# Altium PCB BananaBoard_PCB_4_LAYERS.PcbDoc (part 1 of 3) (continued)
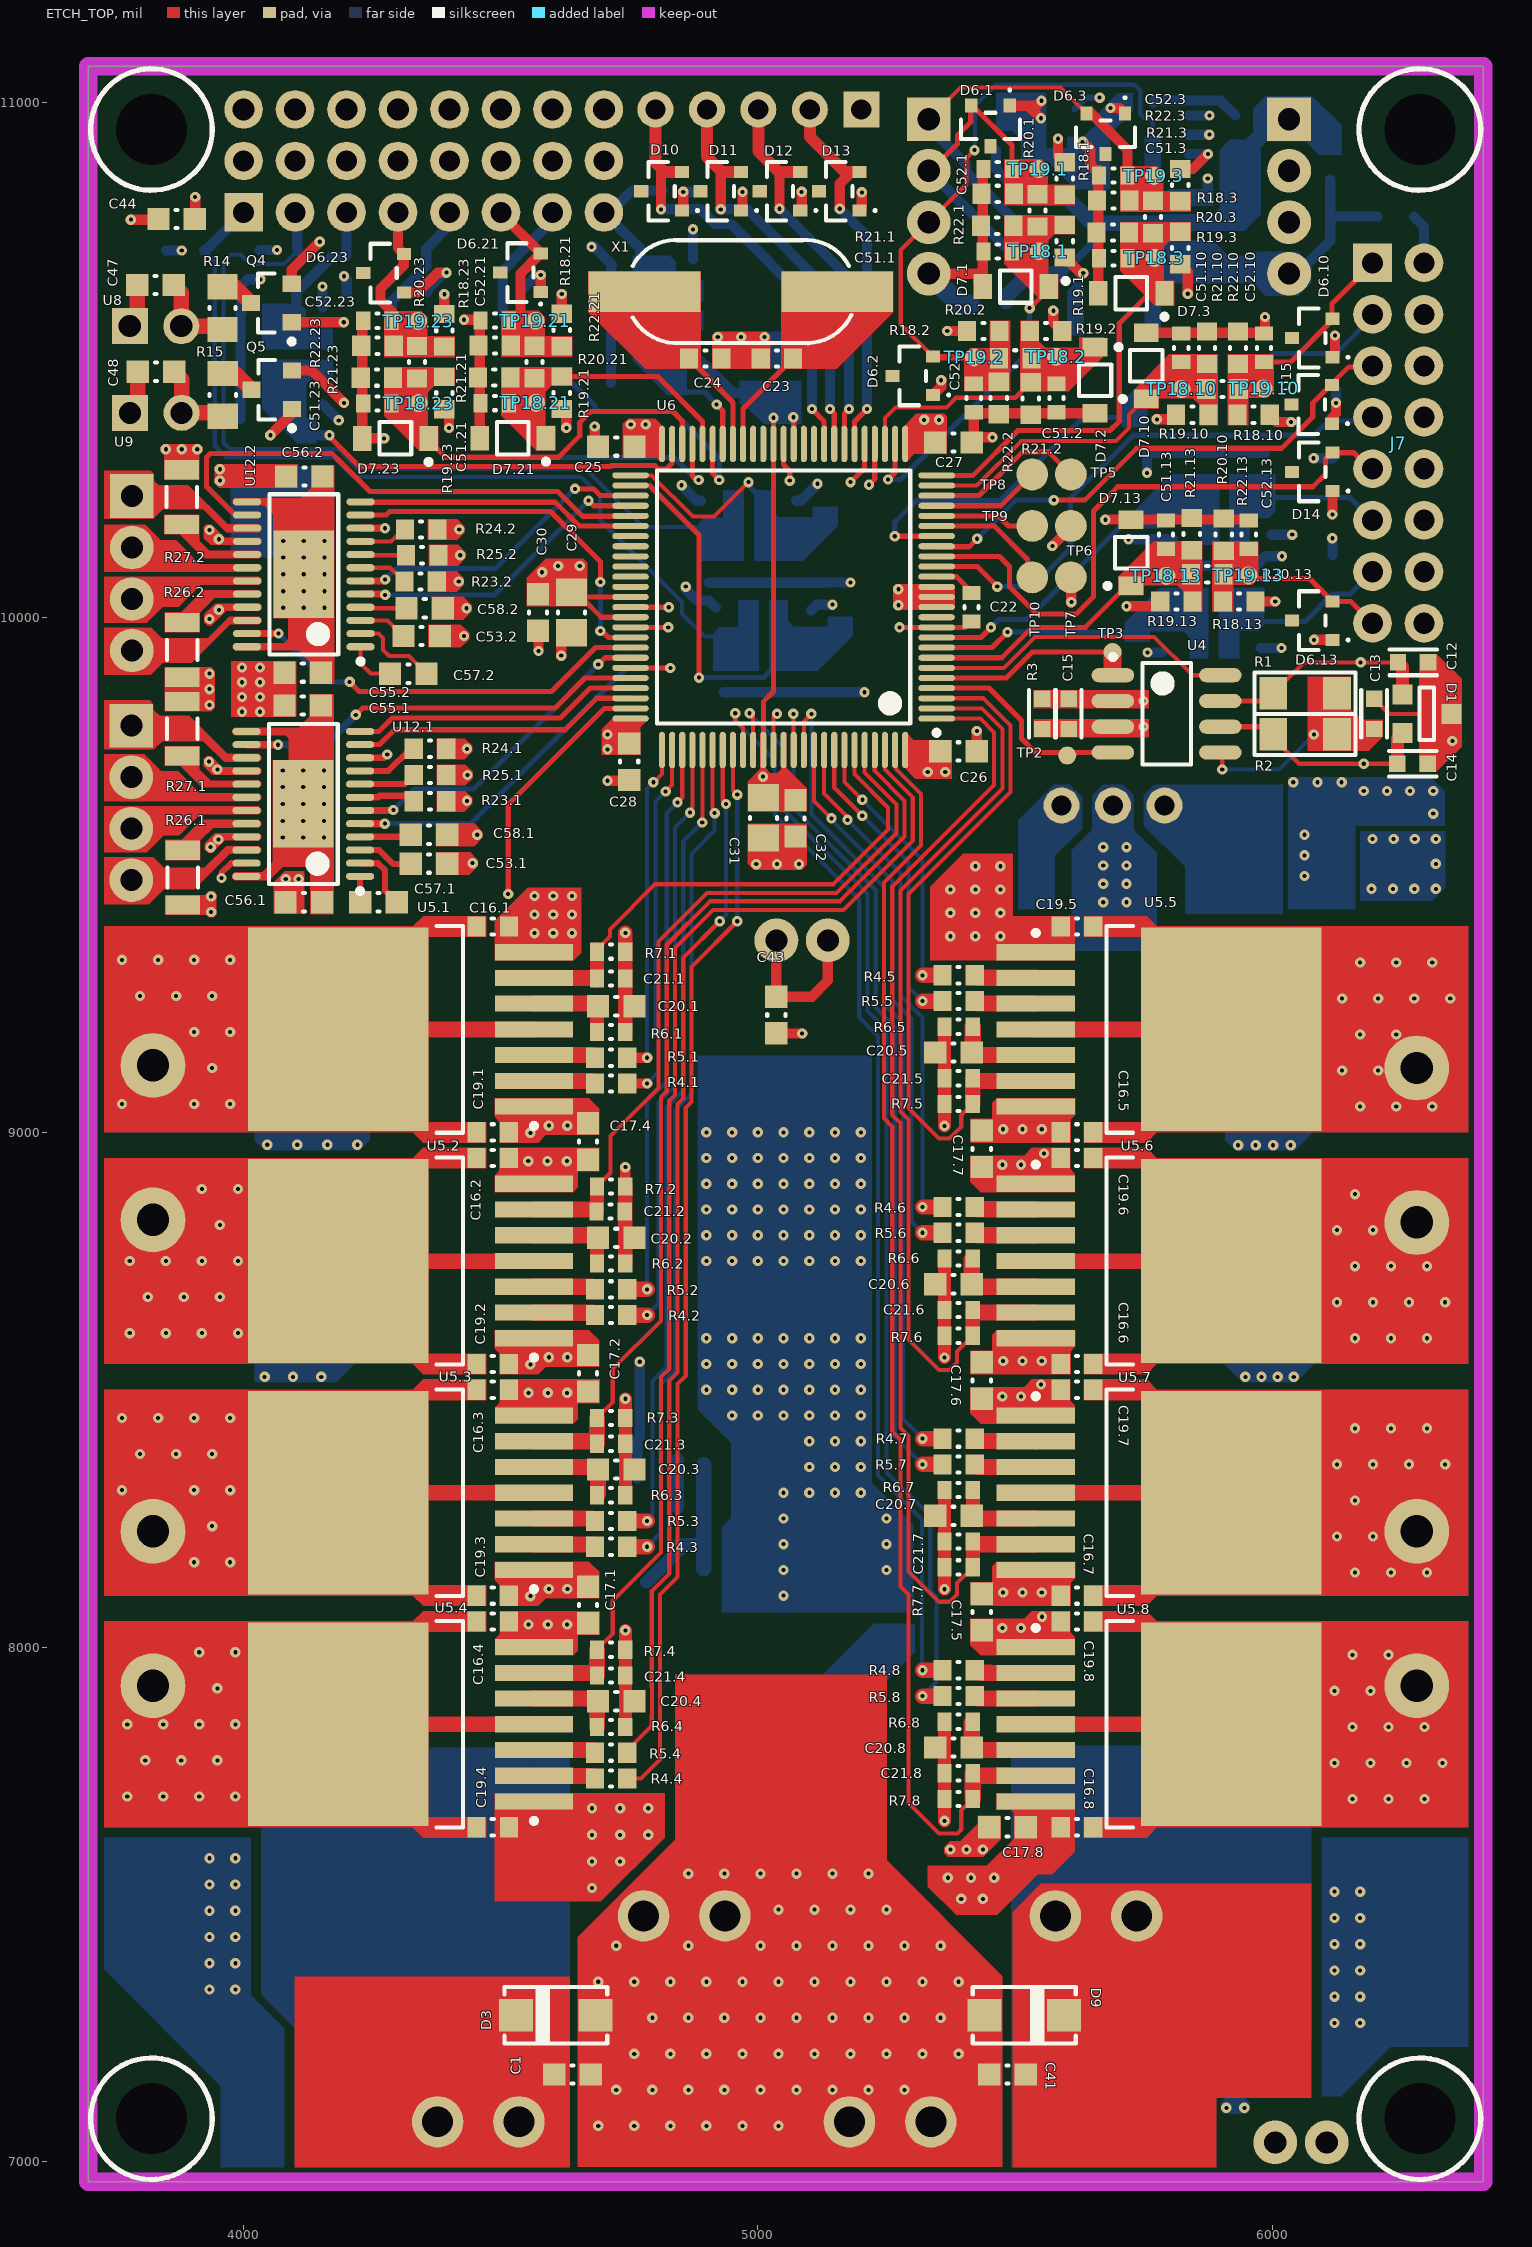
[diagram p0: ETCH_TOP view]
## Classes and differential pairs
channel class MultiPurposeIOProtection: U_MultiPurposeIOProtection1 U_MultiPurposeIOProtection2 U_MultiPurposeIOProtection3 U_MultiPurposeIOProtection4 U_MultiPurposeIOProtection5 U_MultiPurposeIOProtection6 U_MultiPurposeIOProtection7 U_MultiPurposeIOProtection8 U_MultiPurposeIOProtection9 U_MultiPurposeIOProtection10 U_MultiPurposeIOProtection11 U_MultiPurposeIOProtection12 U_MultiPurposeIOProtection13 U_MultiPurposeIOProtection14 U_MultiPurposeIOProtection15 U_MultiPurposeIOProtection16 U_MultiPurposeIOProtection17 U_MultiPurposeIOProtection18 U_MultiPurposeIOProtection19 U_MultiPurposeIOProtection20 U_MultiPurposeIOProtection21 U_MultiPurposeIOProtection22 U_MultiPurposeIOProtection23 U_MultiPurposeIOProtection24 U_MultiPurposeIOProtection25 U_MultiPurposeIOProtection26
component class U_MultiPurposeIOProtection16: C51.26 C52.26 D6.26 D7.26 R18.26 R19.26 R20.26 R21.26 R22.26 TP18.26 TP19.26
component class U_MultiPurposeIOProtection15: C51.25 C52.25 D6.25 D7.25 R18.25 R19.25 R20.25 R21.25 R22.25 TP18.25 TP19.25
component class U_MultiPurposeIOProtection14: C51.24 C52.24 D6.24 D7.24 R18.24 R19.24 R20.24 R21.24 R22.24 TP18.24 TP19.24
component class U_MultiPurposeIOProtection13: C51.23 C52.23 D6.23 D7.23 R18.23 R19.23 R20.23 R21.23 R22.23 TP18.23 TP19.23
component class U_MultiPurposeIOProtection12: C51.22 C52.22 D6.22 D7.22 R18.22 R19.22 R20.22 R21.22 R22.22 TP18.22 TP19.22
component class U_MultiPurposeIOProtection11: C51.21 C52.21 D6.21 D7.21 R18.21 R19.21 R20.21 R21.21 R22.21 TP18.21 TP19.21
component class U_MultiPurposeIOProtection10: C51.20 C52.20 D6.20 D7.20 R18.20 R19.20 R20.20 R21.20 R22.20 TP18.20 TP19.20
component class U_MultiPurposeIOProtection9: C51.19 C52.19 D6.19 D7.19 R18.19 R19.19 R20.19 R21.19 R22.19 TP18.19 TP19.19
component class U_MultiPurposeIOProtection8: C51.13 C52.13 D6.13 D7.13 R18.13 R19.13 R20.13 R21.13 R22.13 TP18.13 TP19.13
component class U_MultiPurposeIOProtection7: C51.12 C52.12 D6.12 D7.12 R18.12 R19.12 R20.12 R21.12 R22.12 TP18.12 TP19.12
component class U_MultiPurposeIOProtection6: C51.11 C52.11 D6.11 D7.11 R18.11 R19.11 R20.11 R21.11 R22.11 TP18.11 TP19.11
component class U_MultiPurposeIOProtection5: C51.10 C52.10 D6.10 D7.10 R18.10 R19.10 R20.10 R21.10 R22.10 TP18.10 TP19.10
component class U_MultiPurposeIOProtection4: C51.6 C52.6 D6.6 D7.6 R18.6 R19.6 R20.6 R21.6 R22.6 TP18.6 TP19.6
component class U_MultiPurposeIOProtection3: C51.3 C52.3 D6.3 D7.3 R18.3 R19.3 R20.3 R21.3 R22.3 TP18.3 TP19.3
component class U_MultiPurposeIOProtection2: C51.2 C52.2 D6.2 D7.2 R18.2 R19.2 R20.2 R21.2 R22.2 TP18.2 TP19.2
component class U_MultiPurposeIOProtection1: C51.1 C52.1 D6.1 D7.1 R18.1 R19.1 R20.1 R21.1 R22.1 TP18.1 TP19.1
channel class PowerFiltering: U_PowerFiltering1 U_PowerFiltering2
channel class HalfBridge: U_HalfBridge1 U_HalfBridge2 U_HalfBridge3 U_HalfBridge4 U_HalfBridge5 U_HalfBridge6 U_HalfBridge7 U_HalfBridge8
component class U_RotarySensor: D14 D15 D16
component class U_ReversePolarityProtection: C42 D4 D5 Q3 R12 R13 TP16
component class U_PowerSupply: C1 C41 D3 D9
component class U_PowerFiltering2: C36.2 C37.2 C38.2 C39.2 C40.2 L1.2
component class U_PowerFiltering1: C36.1 C37.1 C38.1 C39.1 C40.1 L1.1
component class U_MainController: C22 C23 C24 C25 C26 C27 C28 C29 C30 C31 C32 C33 C34 TP5 TP6 TP7 TP8 TP9 TP10 U6 X1
component class U_LEDsDrivers: C47 C48 Q4 Q5 R14 R15 U8 U9
component class U_HalfBridge8: C16.8 C17.8 C18.8 C19.8 C20.8 C21.8 R4.8 R5.8 R6.8 R7.8 U5.8
component class U_HalfBridge7: C16.7 C17.7 C18.7 C19.7 C20.7 C21.7 R4.7 R5.7 R6.7 R7.7 U5.7
component class U_HalfBridge6: C16.6 C17.6 C18.6 C19.6 C20.6 C21.6 R4.6 R5.6 R6.6 R7.6 U5.6
component class U_HalfBridge5: C16.5 C17.5 C18.5 C19.5 C20.5 C21.5 R4.5 R5.5 R6.5 R7.5 U5.5
component class U_HalfBridge4: C16.4 C17.4 C18.4 C19.4 C20.4 C21.4 R4.4 R5.4 R6.4 R7.4 U5.4
component class U_HalfBridge3: C16.3 C18.3 C19.3 C20.3 C21.3 R4.3 R5.3 R6.3 R7.3 U5.3
component class U_HalfBridge2: C16.2 C17.2 C18.2 C19.2 C20.2 C21.2 R4.2 R5.2 R6.2 R7.2 U5.2
component class U_HalfBridge1: C16.1 C17.1 C18.1 C19.1 C20.1 C21.1 R4.1 R5.1 R6.1 R7.1 U5.1
component class U_CANDriver: C12 C13 C14 C15 D1 R1 R2 R3 TP2 TP3 U4
component class U_Accelerometer: C5 C6 C7 C8 C9 U1 U2
component class BlockDiagram: C10 C11 C43 C44 J1 J2 J3 J4 J5 J6 J7 J8 J9 J10 J11 J12 J13 J14 J15 J16 J17 J18
component class U_5VSwitching1ARegulator: C2 C59 C60 L2 U3
component class U_StepperMotorDriver1: C53.1 C54.1 C55.1 C56.1 C57.1 C58.1 R23.1 R24.1 R25.1 R26.1 R27.1 U12.1
component class U_StepperMotorDriver2: C53.2 C54.2 C55.2 C56.2 C57.2 C58.2 R23.2 R24.2 R25.2 R26.2 R27.2 U12.2
channel class StepperMotorDriver: U_StepperMotorDriver1 U_StepperMotorDriver2
component class U_SerialComInterface: D10 D11 D12 D13

## Components (designator, comment, footprint, x,y, rotation, side; value= is the part's Value field where it differs from the comment)
C1 "CAP 100nF 6.3V 0603(1608)" CAPC0603(1608)100_M 4640,7170 r180 top
C2 "CAP 10uF 6.3V 1210(3225)" CAPC1210(3225)230_L 5580,9485 r180 bottom
C5 "COS0353" CAP_1206SP 5553,10987 r180 bottom
C6 "COS0352" CAP_1206SP 5932,10738 r270 bottom
C7 "CAP 10nF 6.3V 0603(1608)" CAPC0603(1608)100_L 5741,11000 r0 bottom
C8 "CAP 100nF 6.3V 0603(1608)" CAPC0603(1608)100_M 5498,10908 r180 bottom
C9 "CAP 100nF 6.3V 0603(1608)" CAPC0603(1608)100_M 5447,10613 r0 bottom
C10 "CAP 100nF 6.3V 0603(1608)" CAPC0603(1608)100_M 6239,10779 r0 bottom
C11 "CAP 100nF 6.3V 0603(1608)" CAPC0603(1608)100_M 6112,10886 r90 bottom
C12 "COS0209" CAP_0603SP 6273,9913 r0 top
C13 "COS0303" CAP_0603SP 6197,9813 r90 top
C14 "COS0209" CAP_0603SP 6272,9716 r180 top
C15 "COS0211" CAP_0603SP 5604,9813 r90 top
C16.1 "CAP 470nF 6.3V 0603(1608)" CAPC0603(1608)100_N 4485,9400 r0 top (schematic designator C16)
C16.2 "CAP 470nF 6.3V 0603(1608)" CAPC0603(1608)100_N 4485,8950 r0 top (schematic designator C16)
C16.3 "CAP 470nF 6.3V 0603(1608)" CAPC0603(1608)100_N 4485,8500 r0 top (schematic designator C16)
C16.4 "CAP 470nF 6.3V 0603(1608)" CAPC0603(1608)100_N 4485,8050 r0 top (schematic designator C16)
C16.5 "CAP 470nF 6.3V 0603(1608)" CAPC0603(1608)100_N 5620,9000 r180 top (schematic designator C16)
C16.6 "CAP 470nF 6.3V 0603(1608)" CAPC0603(1608)100_N 5620,8550 r180 top (schematic designator C16)
C16.7 "CAP 470nF 6.3V 0603(1608)" CAPC0603(1608)100_N 5620,8100 r180 top (schematic designator C16)
C16.8 "CAP 470nF 6.3V 0603(1608)" CAPC0603(1608)100_N 5620,7650 r180 top (schematic designator C16)
C17.1 "CAP 100nF 6.3V 0603(1608)" CAPC0603(1608)100_M 4670,8082 r270 top (schematic designator C17)
C17.2 "CAP 100nF 6.3V 0603(1608)" CAPC0603(1608)100_M 4670,8532 r270 top (schematic designator C17)
C17.4 "CAP 100nF 6.3V 0603(1608)" CAPC0603(1608)100_M 4670,8982 r270 top (schematic designator C17)
C17.5 "CAP 100nF 6.3V 0603(1608)" CAPC0603(1608)100_M 5435,8068 r90 top (schematic designator C17)
C17.6 "CAP 100nF 6.3V 0603(1608)" CAPC0603(1608)100_M 5435,8518 r90 top (schematic designator C17)
C17.7 "CAP 100nF 6.3V 0603(1608)" CAPC0603(1608)100_M 5435,8968 r90 top (schematic designator C17)
C17.8 "CAP 100nF 6.3V 0603(1608)" CAPC0603(1608)100_M 5485,7650 r0 top (schematic designator C17)
C18.1 "COS0263" CAP_SMD_J10 4285,9105 r0 bottom (schematic designator C18)
C18.2 "COS0263" CAP_SMD_J10 4285,8670 r0 bottom (schematic designator C18)
C18.3 "COS0263" CAP_SMD_J10 4795,8670 r180 bottom (schematic designator C18)
C18.4 "COS0263" CAP_SMD_J10 4795,9105 r180 bottom (schematic designator C18)
C18.5 "COS0263" CAP_SMD_J10 5310,8670 r0 bottom (schematic designator C18)
C18.6 "COS0263" CAP_SMD_J10 5820,9105 r180 bottom (schematic designator C18)
C18.7 "COS0263" CAP_SMD_J10 5820,8670 r180 bottom (schematic designator C18)
C18.8 "COS0263" CAP_SMD_J10 5310,9105 r0 bottom (schematic designator C18)
C19.1 "CAP 470nF 6.3V 0603(1608)" CAPC0603(1608)100_N 4485,9000 r180 top (schematic designator C19)
C19.2 "CAP 470nF 6.3V 0603(1608)" CAPC0603(1608)100_N 4485,8550 r180 top (schematic designator C19)
C19.3 "CAP 470nF 6.3V 0603(1608)" CAPC0603(1608)100_N 4485,8100 r180 top (schematic designator C19)
C19.4 "CAP 470nF 6.3V 0603(1608)" CAPC0603(1608)100_N 4485,7650 r180 top (schematic designator C19)
C19.5 "CAP 470nF 6.3V 0603(1608)" CAPC0603(1608)100_N 5620,9400 r0 top (schematic designator C19)
C19.6 "CAP 470nF 6.3V 0603(1608)" CAPC0603(1608)100_N 5620,8950 r0 top (schematic designator C19)
C19.7 "CAP 470nF 6.3V 0603(1608)" CAPC0603(1608)100_N 5620,8500 r0 top (schematic designator C19)
C19.8 "CAP 470nF 6.3V 0603(1608)" CAPC0603(1608)100_N 5620,8050 r0 top (schematic designator C19)
C20.1 "CAP 100nF 6.3V 0603(1608)" CAPC0603(1608)100_M 4725,9245 r180 top (schematic designator C20)
C20.2 "CAP 100nF 6.3V 0603(1608)" CAPC0603(1608)100_M 4725,8795 r180 top (schematic designator C20)
C20.3 "CAP 100nF 6.3V 0603(1608)" CAPC0603(1608)100_M 4725,8345 r180 top (schematic designator C20)
C20.4 "CAP 100nF 6.3V 0603(1608)" CAPC0603(1608)100_M 4725,7895 r180 top (schematic designator C20)
C20.5 "CAP 100nF 6.3V 0603(1608)" CAPC0603(1608)100_M 5380,9155 r0 top (schematic designator C20)
C20.6 "CAP 100nF 6.3V 0603(1608)" CAPC0603(1608)100_M 5380,8705 r0 top (schematic designator C20)
C20.7 "CAP 100nF 6.3V 0603(1608)" CAPC0603(1608)100_M 5380,8255 r0 top (schematic designator C20)
C20.8 "CAP 100nF 6.3V 0603(1608)" CAPC0603(1608)100_M 5380,7805 r0 top (schematic designator C20)
C21.1 "CAP 1nF 6.3V 0603(1608)" CAPC0603(1608)100_L 4715,9299 r180 top (schematic designator C21)
C21.2 "CAP 1nF 6.3V 0603(1608)" CAPC0603(1608)100_L 4714,8846 r180 top (schematic designator C21)
C21.3 "CAP 1nF 6.3V 0603(1608)" CAPC0603(1608)100_L 4715,8395 r180 top (schematic designator C21)
C21.4 "CAP 1nF 6.3V 0603(1608)" CAPC0603(1608)100_L 4715,7945 r180 top (schematic designator C21)
C21.5 "CAP 1nF 6.3V 0603(1608)" CAPC0603(1608)100_L 5390,9105 r0 top (schematic designator C21)
C21.6 "CAP 1nF 6.3V 0603(1608)" CAPC0603(1608)100_L 5390,8655 r0 top (schematic designator C21)
C21.7 "CAP 1nF 6.3V 0603(1608)" CAPC0603(1608)100_L 5390,8205 r0 top (schematic designator C21)
C21.8 "CAP 1nF 6.3V 0603(1608)" CAPC0603(1608)100_L 5390,7755 r0 top (schematic designator C21)
C22 "CAP 100nF 6.3V 0603(1608)" CAPC0603(1608)100_L 5415,10020 r90 top
C23 "CAP 22pF 10V 0603(1608)" CAPC0603(1608)100_N 5037,10503 r0 top
C24 "CAP 22pF 10V 0603(1608)" CAPC0603(1608)100_N 4898,10503 r180 top
C25 "CAP 100nF 6.3V 0603(1608)" CAPC0603(1608)100_M 4725,10332 r0 top
C26 "CAP 100nF 6.3V 0603(1608)" CAPC0603(1608)100_M 5390,9740 r180 top
C27 "CAP 100nF 6.3V 0603(1608)" CAPC0603(1608)100_M 5380,10340 r180 top
C28 "CAP 100nF 6.3V 0603(1608)" CAPC0603(1608)100_M 4750,9720 r90 top
C29 "CAP 1uF 35V 0805(2012)" CAPC0805(2012)145_M 4638,10010 r90 top
C30 "CAP 100nF 6.3V 0603(1608)" CAPC0603(1608)100_M 4573,10010 r90 top
C31 "CAP 1uF 35V 0805(2012)" CAPC0805(2012)145_M 5011,9611 r90 top
C32 "CAP 100nF 6.3V 0603(1608)" CAPC0603(1608)100_M 5073,9610 r90 top
C33 "CAP 1uF 35V 0805(2012)" CAPC0805(2012)145_M 5053,10471 r270 bottom
C34 "CAP 100nF 6.3V 0603(1608)" CAPC0603(1608)100_M 4987,10472 r270 bottom
C36.1 "CAP 10nF 6.3V 0603(1608)" CAPC0603(1608)100_M 5927,7186 r270 bottom (schematic designator C36)
C36.2 "CAP 10nF 6.3V 0603(1608)" CAPC0603(1608)100_M 4090,7085 r180 bottom (schematic designator C36)
C37.1 "CAP 1uF 6.3V 1206(3216)" CAPC1206(3216)150_M 6065,7165 r180 bottom (schematic designator C37)
C37.2 "CAP 1uF 6.3V 1206(3216)" CAPC1206(3216)150_M 4070,7165 r0 bottom (schematic designator C37)
C38.1 "COS0263" CAP_SMD_J10 6120,7430 r180 bottom (schematic designator C38)
C38.2 "COS0263" CAP_SMD_J10 3990,7430 r0 bottom (schematic designator C38)
C39.1 "CAP 10nF 6.3V 0603(1608)" CAPC0603(1608)100_M 5635,9345 r90 bottom (schematic designator C39)
C39.2 "CAP 10nF 6.3V 0603(1608)" CAPC0603(1608)100_M 4406,9451 r180 bottom (schematic designator C39)
C40.1 "CAP 1uF 6.3V 1206(3216)" CAPC1206(3216)150_M 5565,9320 r270 bottom (schematic designator C40)
C40.2 "CAP 1uF 6.3V 1206(3216)" CAPC1206(3216)150_M 4378,9380 r0 bottom (schematic designator C40)
C41 "CAP 100nF 6.3V 0603(1608)" CAPC0603(1608)100_M 5485,7170 r0 top
C42 "CAP 100nF 6.3V 0603(1608)" CAPC0603(1608)100_M 5280,8055 r270 bottom
C43 "CAP 100nF 6.3V 0603(1608)" CAPC0603(1608)100_M 5036,9228 r90 top
C44 "CAP 100nF 6.3V 0603(1608)" CAPC0603(1608)100_M 3871,10774 r0 top
C47 "CAP 100nF 6.3V 0603(1608)" CAPC0603(1608)100_M 3830,10646 r180 top
C48 "CAP 100nF 6.3V 0603(1608)" CAPC0603(1608)100_M 3830.63,10477.6 r180 top
C51.1 "CAP 100nF 6.3V 0603(1608)" CAPC0603(1608)100_L 5466,10711 r0 top (schematic designator C51)
C51.2 "CAP 100nF 6.3V 0603(1608)" CAPC0603(1608)100_L 5580,10426.5 r90 top (schematic designator C51)
C51.3 "CAP 100nF 6.3V 0603(1608)" CAPC0603(1608)100_L 5690.5,10698 r0 top (schematic designator C51)
C51.6 "CAP 100nF 6.3V 0603(1608)" CAPC0603(1608)100_L 5823,10524 r270 bottom (schematic designator C51)
C51.10 "CAP 100nF 6.3V 0603(1608)" CAPC0603(1608)100_L 5822.5,10524 r270 top (schematic designator C51)
C51.11 "CAP 100nF 6.3V 0603(1608)" CAPC0603(1608)100_L 5826,10291 r270 bottom (schematic designator C51)
C51.12 "CAP 100nF 6.3V 0603(1608)" CAPC0603(1608)100_L 5805,10071 r270 bottom (schematic designator C51)
C51.13 "CAP 100nF 6.3V 0603(1608)" CAPC0603(1608)100_L 5793,10161 r270 top (schematic designator C51)
C51.19 "CAP 100nF 6.3V 0603(1608)" CAPC0603(1608)100_L 4744,10525 r0 bottom (schematic designator C51)
C51.20 "CAP 100nF 6.3V 0603(1608)" CAPC0603(1608)100_L 4489,10416 r0 bottom (schematic designator C51)
C51.21 "CAP 100nF 6.3V 0603(1608)" CAPC0603(1608)100_L 4489,10416.5 r0 top (schematic designator C51)
C51.22 "CAP 100nF 6.3V 0603(1608)" CAPC0603(1608)100_L 4261,10416 r0 bottom (schematic designator C51)
C51.23 "CAP 100nF 6.3V 0603(1608)" CAPC0603(1608)100_L 4261,10416 r0 top (schematic designator C51)
C51.24 "CAP 100nF 6.3V 0603(1608)" CAPC0603(1608)100_L 4024.5,10431 r0 bottom (schematic designator C51)
C51.25 "CAP 100nF 6.3V 0603(1608)" CAPC0603(1608)100_L 5063,10097 r90 bottom (schematic designator C51)
C51.26 "CAP 100nF 6.3V 0603(1608)" CAPC0603(1608)100_L 5092,9884 r90 bottom (schematic designator C51)
C52.1 "CAP 100nF 6.3V 0603(1608)" CAPC0603(1608)100_L 5466,10871.5 r0 top (schematic designator C52)
C52.2 "CAP 100nF 6.3V 0603(1608)" CAPC0603(1608)100_L 5419.5,10426.5 r90 top (schematic designator C52)
C52.3 "CAP 100nF 6.3V 0603(1608)" CAPC0603(1608)100_L 5690.5,10858.5 r0 top (schematic designator C52)
C52.6 "CAP 100nF 6.3V 0603(1608)" CAPC0603(1608)100_L 5983.5,10524 r270 bottom (schematic designator C52)
C52.10 "CAP 100nF 6.3V 0603(1608)" CAPC0603(1608)100_L 5983.01,10524 r270 top (schematic designator C52)
C52.11 "CAP 100nF 6.3V 0603(1608)" CAPC0603(1608)100_L 5986.5,10291 r270 bottom (schematic designator C52)
C52.12 "CAP 100nF 6.3V 0603(1608)" CAPC0603(1608)100_L 5965.5,10071 r270 bottom (schematic designator C52)
C52.13 "CAP 100nF 6.3V 0603(1608)" CAPC0603(1608)100_L 5953.5,10161 r270 top (schematic designator C52)
C52.19 "CAP 100nF 6.3V 0603(1608)" CAPC0603(1608)100_L 4744,10685.5 r0 bottom (schematic designator C52)
C52.20 "CAP 100nF 6.3V 0603(1608)" CAPC0603(1608)100_L 4489,10576.5 r0 bottom (schematic designator C52)
C52.21 "CAP 100nF 6.3V 0603(1608)" CAPC0603(1608)100_L 4489,10577.01 r0 top (schematic designator C52)
C52.22 "CAP 100nF 6.3V 0603(1608)" CAPC0603(1608)100_L 4261,10576.5 r0 bottom (schematic designator C52)
C52.23 "CAP 100nF 6.3V 0603(1608)" CAPC0603(1608)100_L 4261,10576.5 r0 top (schematic designator C52)
C52.24 "CAP 100nF 6.3V 0603(1608)" CAPC0603(1608)100_L 4024.5,10591.5 r0 bottom (schematic designator C52)
C52.25 "CAP 100nF 6.3V 0603(1608)" CAPC0603(1608)100_L 4902.5,10097 r90 bottom (schematic designator C52)
C52.26 "CAP 100nF 6.3V 0603(1608)" CAPC0603(1608)100_L 4931.5,9884 r90 bottom (schematic designator C52)
C53.1 "CAP 100nF 6.3V 0603(1608)" CAPC0603(1608)100_M 4361,9522 r0 top (schematic designator C53)
C53.2 "CAP 100nF 6.3V 0603(1608)" CAPC0603(1608)100_M 4347,9964 r0 top (schematic designator C53)
C54.1 "COS0220" CAP_SMD_8_10-5 4015,9633 r90 bottom (schematic designator C54)
C54.2 "COS0220" CAP_SMD_8_10-5 4013.76,10071.2 r270 bottom (schematic designator C54)
C55.1 "CAP 100nF 6.3V 0603(1608)" CAPC0603(1608)100_M 4116,9829 r180 top (schematic designator C55)
C55.2 "CAP 100nF 6.3V 0603(1608)" CAPC0603(1608)100_M 4116,9893 r180 top (schematic designator C55)
C56.1 "CAP 100nF 6.3V 0603(1608)" CAPC0603(1608)100_M 4118,9447 r180 top (schematic designator C56)
C56.2 "CAP 100nF 6.3V 0603(1608)" CAPC0603(1608)100_M 4119,10274 r180 top (schematic designator C56)
C57.1 "CAP 100nF 6.3V 0603(1608)" CAPC0603(1608)100_M 4263,9447 r180 top (schematic designator C57)
C57.2 "CAP 100nF 6.3V 0603(1608)" CAPC0603(1608)100_M 4321,9891 r180 top (schematic designator C57)
C58.1 "CAP 220nF 6.3V 0603(1608)" CAPC0603(1608)100_M 4361,9578 r180 top (schematic designator C58)
C58.2 "CAP 220nF 6.3V 0603(1608)" CAPC0603(1608)100_M 4353,10018 r180 top (schematic designator C58)
C59 "CAP 47uF 6.3V 1210(3225)" CAPC1210(3225)280_L 5806,9478 r0 bottom (schematic designator C3)
C60 "CAP 47uF 6.3V 1210(3225)" CAPC1210(3225)280_L 6230,9565 r90 bottom (schematic designator C66)
D1 "DISL0003" SOT23_SP 6300,9813 r270 top
D3 "DIS0226" SMA 4605,7285 r180 top
D4 "BAV70LT1" ONSC-SOT-23-3-318-08_V 4805,8365 r0 bottom
D5 "MMSZ4703T1G" ONSC-SOD-123-2-425-04_V 4965,8360 r0 bottom
D6.1 "BAT54A" NXP-SOT23-3_V 5452,10955 r0 top (schematic designator D6)
D6.2 "BAT54A" NXP-SOT23-3_V 5301,10469.5 r270 top (schematic designator D6)
D6.3 "BAT54A" NXP-SOT23-3_V 5675.5,10940 r0 top (schematic designator D6)
D6.6 "BAT54A" NXP-SOT23-3_V 6077,10543 r90 bottom (schematic designator D6)
D6.10 "BAT54A" NXP-SOT23-3_V 6077,10543 r270 top (schematic designator D6)
D6.11 "BAT54A" NXP-SOT23-3_V 6077,10272 r90 bottom (schematic designator D6)
D6.12 "BAT54A" NXP-SOT23-3_V 6077,10083 r90 bottom (schematic designator D6)
D6.13 "BAT54A" NXP-SOT23-3_V 6077,9994 r270 top (schematic designator D6)
D6.19 "BAT54A" NXP-SOT23-3_V 4853,10869 r0 bottom (schematic designator D6)
D6.20 "BAT54A" NXP-SOT23-3_V 4578,10671 r270 bottom (schematic designator D6)
D6.21 "BAT54A" NXP-SOT23-3_V 4539,10670 r270 top (schematic designator D6)
D6.22 "BAT54A" NXP-SOT23-3_V 4396,10669 r270 bottom (schematic designator D6)
D6.23 "BAT54A" NXP-SOT23-3_V 4273,10669 r270 top (schematic designator D6)
D6.24 "BAT54A" NXP-SOT23-3_V 4241,10666 r270 bottom (schematic designator D6)
D6.25 "BAT54A" NXP-SOT23-3_V 4068,10673 r180 bottom (schematic designator D6)
D6.26 "BAT54A" NXP-SOT23-3_V 3887,10673 r180 bottom (schematic designator D6)
D7.1 "MMSZ4688T1G" ONSC-SOD-123-2-425-04_V 5501,10643 r180 top (schematic designator D7)
D7.2 "MMSZ4688T1G" ONSC-SOD-123-2-425-04_V 5655,10461 r270 top (schematic designator D7)
D7.3 "MMSZ4688T1G" ONSC-SOD-123-2-425-04_V 5725.5,10630 r180 top (schematic designator D7)
D7.6 "MMSZ4688T1G" ONSC-SOD-123-2-425-04_V 5732,10453 r90 bottom (schematic designator D7)
D7.10 "MMSZ4688T1G" ONSC-SOD-123-2-425-04_V 5754.5,10489 r90 top (schematic designator D7)
D7.11 "MMSZ4688T1G" ONSC-SOD-123-2-425-04_V 5755,10255 r90 bottom (schematic designator D7)
D7.12 "MMSZ4688T1G" ONSC-SOD-123-2-425-04_V 5717.91,10036 r90 bottom (schematic designator D7)
D7.13 "MMSZ4688T1G" ONSC-SOD-123-2-425-04_V 5725,10126 r90 top (schematic designator D7)
D7.19 "MMSZ4688T1G" ONSC-SOD-123-2-425-04_V 4779,10437.91 r180 bottom (schematic designator D7)
D7.20 "MMSZ4688T1G" ONSC-SOD-123-2-425-04_V 4524,10348 r180 bottom (schematic designator D7)
D7.21 "MMSZ4688T1G" ONSC-SOD-123-2-425-04_V 4524,10348.5 r180 top (schematic designator D7)
D7.22 "MMSZ4688T1G" ONSC-SOD-123-2-425-04_V 4296,10348 r180 bottom (schematic designator D7)
D7.23 "MMSZ4688T1G" ONSC-SOD-123-2-425-04_V 4296,10348 r180 top (schematic designator D7)
D7.24 "MMSZ4688T1G" ONSC-SOD-123-2-425-04_V 4062,10363 r180 bottom (schematic designator D7)
D7.25 "MMSZ4688T1G" ONSC-SOD-123-2-425-04_V 5131,10133 r270 bottom (schematic designator D7)
D7.26 "MMSZ4688T1G" ONSC-SOD-123-2-425-04_V 5160,9920 r270 bottom (schematic designator D7)
D9 "DIS0226" SMA 5520,7285 r0 top
D10 "BAT54A" NXP-SOT23-3_V 4813,10828 r270 top
D11 "BAT54A" NXP-SOT23-3_V 4928,10828 r270 top
D12 "BAT54A" NXP-SOT23-3_V 5043,10828 r270 top
D13 "BAT54A" NXP-SOT23-3_V 5158,10828 r270 top
D14 "BAT54A" NXP-SOT23-3_V 6077,10283 r270 top
D15 "BAT54A" NXP-SOT23-3_V 6076,10414 r270 top
D16 "BAT54A" NXP-SOT23-3_V 6076,10413 r90 bottom
J1 "CN0368" Molex_39910-0104_4POS_60A 5736,7478 r180 bottom
J2 "CN0559" powerterminal 3825,8830 r90 bottom
J3 "CN0559" powerterminal 3825,7925 r90 bottom
J4 "CN0559" powerterminal 6280,9125 r270 bottom
J5 "CN0506" HEADER_1X5_100 5001,10987 r270 bottom
J6 "CN0559" powerterminal 6280,8225 r270 bottom
J7 "CN0549" HEADER2X8_826664#1 6244,10339 r180 top
J8 "CN0559" HEADER2_100#1 5086,9373 r180 bottom
J9 "CN0368" HEADER4_100 3783,9640 r270 bottom
J10 "CN0368" HEADER4_100 3784,10086 r270 bottom
J11 "CN0559" HEADER2_100#2 4651,10987 r180 bottom (schematic designator J18)
J12 "CN0592" FCI_68000-404HLF 6032,10818 r270 bottom
J13 "CN0592" FCI_68000-404HLF 5332,10818 r270 bottom
J14 "CN0559" HEADER2_100#2 4251,10987 r180 bottom
J15 "CN0549" HEADER2X8_826664#2 4351,10837 r90 bottom
J16 "CN0559" HEADER2_100#1 6055,7038 r180 bottom
J17 "CN0559" HEADER2_100#2 4451,10987 r180 bottom
J18 "CN0559" HEADER2_100#2 4051,10987 r0 bottom
L1.1 "BBS0083" SMD_6560 5735,8050 r90 bottom (schematic designator L1)
L1.2 "BBS0083" SMD_6560 4370,8045 r90 bottom (schematic designator L1)
L2 "LPS5030-123MR" LPS5030 6049,9552 r0 bottom
Q3 "IPB020N04N G" INF-PG-TO-263-7-2_L 5045,7910 r270 bottom
Q4 "MMUN2211LT1G" ONSC-SOT-23-3-318-08_V 4055,10611 r180 top
Q5 "MMUN2211LT1G" ONSC-SOT-23-3-318-08_V 4055.63,10442.6 r180 top
R1 "RES1273" RC1206SP 6063,9853 r180 top
R2 "RES1273" RC1206SP 6063,9773 r0 top
R3 "RES1033" RC0603SP 5552,9813 r270 top
R4.1 "10K 5% 0603(1608)" RESC0603(1608)_N 4715,9095 r0 top (schematic designator R4)
R4.2 "10K 5% 0603(1608)" RESC0603(1608)_N 4715,8645 r0 top (schematic designator R4)
R4.3 "10K 5% 0603(1608)" RESC0603(1608)_N 4715,8195 r0 top (schematic designator R4)
R4.4 "10K 5% 0603(1608)" RESC0603(1608)_N 4715,7745 r0 top (schematic designator R4)
R4.5 "10K 5% 0603(1608)" RESC0603(1608)_N 5390,9305 r180 top (schematic designator R4)
R4.6 "10K 5% 0603(1608)" RESC0603(1608)_N 5390,8855 r180 top (schematic designator R4)
R4.7 "10K 5% 0603(1608)" RESC0603(1608)_N 5390,8405 r180 top (schematic designator R4)
R4.8 "10K 5% 0603(1608)" RESC0603(1608)_N 5390,7955 r180 top (schematic designator R4)
R5.1 "10K 5% 0603(1608)" RESC0603(1608)_N 4715,9145 r0 top (schematic designator R5)
R5.2 "10K 5% 0603(1608)" RESC0603(1608)_N 4715,8695 r0 top (schematic designator R5)
R5.3 "10K 5% 0603(1608)" RESC0603(1608)_N 4715,8245 r0 top (schematic designator R5)
R5.4 "10K 5% 0603(1608)" RESC0603(1608)_N 4715,7795 r0 top (schematic designator R5)
R5.5 "10K 5% 0603(1608)" RESC0603(1608)_N 5390,9255 r180 top (schematic designator R5)
R5.6 "10K 5% 0603(1608)" RESC0603(1608)_N 5390,8805 r180 top (schematic designator R5)
R5.7 "10K 5% 0603(1608)" RESC0603(1608)_N 5390,8355 r180 top (schematic designator R5)
R5.8 "10K 5% 0603(1608)" RESC0603(1608)_N 5390,7905 r180 top (schematic designator R5)
R6.1 "47K 5% 0603(1608)" RESC0603(1608)_L 4715,9195 r180 top (schematic designator R6)
R6.2 "47K 5% 0603(1608)" RESC0603(1608)_L 4715,8745 r180 top (schematic designator R6)
R6.3 "47K 5% 0603(1608)" RESC0603(1608)_L 4715,8295 r180 top (schematic designator R6)
R6.4 "47K 5% 0603(1608)" RESC0603(1608)_L 4715,7845 r180 top (schematic designator R6)
R6.5 "47K 5% 0603(1608)" RESC0603(1608)_L 5390,9205 r0 top (schematic designator R6)
R6.6 "47K 5% 0603(1608)" RESC0603(1608)_L 5390,8755 r0 top (schematic designator R6)
R6.7 "47K 5% 0603(1608)" RESC0603(1608)_L 5390,8305 r0 top (schematic designator R6)
R6.8 "47K 5% 0603(1608)" RESC0603(1608)_L 5390,7855 r0 top (schematic designator R6)
R7.1 "1K 5% 0603(1608)" RESC0603(1608)_L 4715,9351 r180 top (schematic designator R7)
R7.2 "1K 5% 0603(1608)" RESC0603(1608)_L 4715,8895 r180 top (schematic designator R7)
R7.3 "1K 5% 0603(1608)" RESC0603(1608)_L 4715,8445 r180 top (schematic designator R7)
R7.4 "1K 5% 0603(1608)" RESC0603(1608)_L 4715,7995 r180 top (schematic designator R7)
R7.5 "1K 5% 0603(1608)" RESC0603(1608)_L 5390,9055 r0 top (schematic designator R7)
R7.6 "1K 5% 0603(1608)" RESC0603(1608)_L 5390,8605 r0 top (schematic designator R7)
R7.7 "1K 5% 0603(1608)" RESC0603(1608)_L 5390,8155 r0 top (schematic designator R7)
R7.8 "1K 5% 0603(1608)" RESC0603(1608)_L 5390,7705 r0 top (schematic designator R7)
R12 "22K 5% 0603(1608)" RESC0603(1608)_M 4845,8235 r90 bottom
R13 "200K 5% 0603(1608)" RESC0603(1608)_M 4935,8275 r180 bottom
R14 "200R 5% 0805(2012)" RESC0805(2012)_M 3960,10601 r270 top
R15 "200R 5% 0805(2012)" RESC0805(2012)_M 3960.63,10432.6 r270 top
R18.1 "10K 5% 0603(1608)" RESC0603(1608)_N 5596,10853 r270 top (schematic designator R18)
R18.2 "10K 5% 0603(1608)" RESC0603(1608)_N 5438,10556.5 r0 top (schematic designator R18)
R18.3 "10K 5% 0603(1608)" RESC0603(1608)_N 5820.5,10840 r270 top (schematic designator R18)
R18.6 "10K 5% 0603(1608)" RESC0603(1608)_N 5964,10388 r180 bottom (schematic designator R18)
R18.10 "10K 5% 0603(1608)" RESC0603(1608)_N 5963,10394 r180 top (schematic designator R18)
R18.11 "10K 5% 0603(1608)" RESC0603(1608)_N 5968,10161 r180 bottom (schematic designator R18)
R18.12 "10K 5% 0603(1608)" RESC0603(1608)_N 5947,9941 r180 bottom (schematic designator R18)
R18.13 "10K 5% 0603(1608)" RESC0603(1608)_N 5935,10031 r180 top (schematic designator R18)
R18.19 "10K 5% 0603(1608)" RESC0603(1608)_N 4874,10667 r270 bottom (schematic designator R18)
R18.20 "10K 5% 0603(1608)" RESC0603(1608)_N 4619,10558 r270 bottom (schematic designator R18)
R18.21 "10K 5% 0603(1608)" RESC0603(1608)_N 4619,10558.5 r270 top (schematic designator R18)
R18.22 "10K 5% 0603(1608)" RESC0603(1608)_N 4391,10558 r270 bottom (schematic designator R18)
R18.23 "10K 5% 0603(1608)" RESC0603(1608)_N 4391,10558 r270 top (schematic designator R18)
R18.24 "10K 5% 0603(1608)" RESC0603(1608)_N 4154.5,10573 r270 bottom (schematic designator R18)
R18.25 "10K 5% 0603(1608)" RESC0603(1608)_N 4921,10227 r0 bottom (schematic designator R18)
R18.26 "10K 5% 0603(1608)" RESC0603(1608)_N 4950,10014 r0 bottom (schematic designator R18)
R19.1 "10K 5% 0603(1608)" RESC0603(1608)_N 5596,10731 r90 top (schematic designator R19)
R19.2 "10K 5% 0603(1608)" RESC0603(1608)_N 5560,10556.5 r180 top (schematic designator R19)
R19.3 "10K 5% 0603(1608)" RESC0603(1608)_N 5820.5,10718 r90 top (schematic designator R19)
R19.6 "10K 5% 0603(1608)" RESC0603(1608)_N 5844,10389 r0 bottom (schematic designator R19)
R19.10 "10K 5% 0603(1608)" RESC0603(1608)_N 5844,10394 r0 top (schematic designator R19)
R19.11 "10K 5% 0603(1608)" RESC0603(1608)_N 5846,10161 r0 bottom (schematic designator R19)
R19.12 "10K 5% 0603(1608)" RESC0603(1608)_N 5825,9941 r0 bottom (schematic designator R19)
R19.13 "10K 5% 0603(1608)" RESC0603(1608)_N 5813,10031 r0 top (schematic designator R19)
R19.19 "10K 5% 0603(1608)" RESC0603(1608)_N 4874,10545 r90 bottom (schematic designator R19)
R19.20 "10K 5% 0603(1608)" RESC0603(1608)_N 4619,10436 r90 bottom (schematic designator R19)
R19.21 "10K 5% 0603(1608)" RESC0603(1608)_N 4619,10436.5 r90 top (schematic designator R19)
R19.22 "10K 5% 0603(1608)" RESC0603(1608)_N 4391,10436 r90 bottom (schematic designator R19)
R19.23 "10K 5% 0603(1608)" RESC0603(1608)_N 4391,10436 r90 top (schematic designator R19)
R19.24 "10K 5% 0603(1608)" RESC0603(1608)_N 4154.5,10451 r90 bottom (schematic designator R19)
R19.25 "10K 5% 0603(1608)" RESC0603(1608)_N 5043,10227 r180 bottom (schematic designator R19)
R19.26 "10K 5% 0603(1608)" RESC0603(1608)_N 5072,10014 r180 bottom (schematic designator R19)
R20.1 "10K 5% 0603(1608)" RESC0603(1608)_N 5543,10791 r270 top (schematic designator R20)
R20.2 "10K 5% 0603(1608)" RESC0603(1608)_N 5500,10503.5 r0 top (schematic designator R20)
R20.3 "10K 5% 0603(1608)" RESC0603(1608)_N 5767.5,10778 r270 top (schematic designator R20)
R20.6 "10K 5% 0603(1608)" RESC0603(1608)_N 5903,10440 r180 bottom (schematic designator R20)
R20.10 "10K 5% 0603(1608)" RESC0603(1608)_N 5902.5,10444 r180 top (schematic designator R20)
R20.11 "10K 5% 0603(1608)" RESC0603(1608)_N 5906,10214 r180 bottom (schematic designator R20)
R20.12 "10K 5% 0603(1608)" RESC0603(1608)_N 5885,9994 r180 bottom (schematic designator R20)
R20.13 "10K 5% 0603(1608)" RESC0603(1608)_N 5873,10084 r180 top (schematic designator R20)
R20.19 "10K 5% 0603(1608)" RESC0603(1608)_N 4821,10605 r270 bottom (schematic designator R20)
R20.20 "10K 5% 0603(1608)" RESC0603(1608)_N 4566,10496 r270 bottom (schematic designator R20)
R20.21 "10K 5% 0603(1608)" RESC0603(1608)_N 4566,10496.5 r270 top (schematic designator R20)
R20.22 "10K 5% 0603(1608)" RESC0603(1608)_N 4338,10496 r270 bottom (schematic designator R20)
R20.23 "10K 5% 0603(1608)" RESC0603(1608)_N 4338,10496 r270 top (schematic designator R20)
R20.24 "10K 5% 0603(1608)" RESC0603(1608)_N 4101.5,10511 r270 bottom (schematic designator R20)
R20.25 "10K 5% 0603(1608)" RESC0603(1608)_N 4983,10174 r0 bottom (schematic designator R20)
R20.26 "10K 5% 0603(1608)" RESC0603(1608)_N 5012,9961 r0 bottom (schematic designator R20)
R21.1 "10K 5% 0603(1608)" RESC0603(1608)_N 5465,10761 r180 top (schematic designator R21)
R21.2 "10K 5% 0603(1608)" RESC0603(1608)_N 5530,10425.5 r270 top (schematic designator R21)
R21.3 "10K 5% 0603(1608)" RESC0603(1608)_N 5689.5,10748 r180 top (schematic designator R21)
R21.6 "10K 5% 0603(1608)" RESC0603(1608)_N 5873,10524 r90 bottom (schematic designator R21)
R21.10 "10K 5% 0603(1608)" RESC0603(1608)_N 5872.5,10524 r90 top (schematic designator R21)
R21.11 "10K 5% 0603(1608)" RESC0603(1608)_N 5876,10292 r90 bottom (schematic designator R21)
R21.12 "10K 5% 0603(1608)" RESC0603(1608)_N 5855,10072 r90 bottom (schematic designator R21)
R21.13 "10K 5% 0603(1608)" RESC0603(1608)_N 5843,10162 r90 top (schematic designator R21)
R21.19 "10K 5% 0603(1608)" RESC0603(1608)_N 4743,10575 r180 bottom (schematic designator R21)
R21.20 "10K 5% 0603(1608)" RESC0603(1608)_N 4488,10466 r180 bottom (schematic designator R21)
R21.21 "10K 5% 0603(1608)" RESC0603(1608)_N 4488,10466.5 r180 top (schematic designator R21)
R21.22 "10K 5% 0603(1608)" RESC0603(1608)_N 4260,10466 r180 bottom (schematic designator R21)
R21.23 "10K 5% 0603(1608)" RESC0603(1608)_N 4260,10466 r180 top (schematic designator R21)
R21.24 "10K 5% 0603(1608)" RESC0603(1608)_N 4023.5,10481 r180 bottom (schematic designator R21)
R21.25 "10K 5% 0603(1608)" RESC0603(1608)_N 5013,10096 r270 bottom (schematic designator R21)
R21.26 "10K 5% 0603(1608)" RESC0603(1608)_N 5042,9883 r270 bottom (schematic designator R21)
R22.1 "10K 5% 0603(1608)" RESC0603(1608)_N 5466,10823 r180 top (schematic designator R22)
R22.2 "10K 5% 0603(1608)" RESC0603(1608)_N 5468,10426.5 r270 top (schematic designator R22)
R22.3 "10K 5% 0603(1608)" RESC0603(1608)_N 5690.5,10810 r180 top (schematic designator R22)
R22.6 "10K 5% 0603(1608)" RESC0603(1608)_N 5933,10524 r90 bottom (schematic designator R22)
R22.10 "10K 5% 0603(1608)" RESC0603(1608)_N 5932.5,10524 r90 top (schematic designator R22)
R22.11 "10K 5% 0603(1608)" RESC0603(1608)_N 5938,10291 r90 bottom (schematic designator R22)
R22.12 "10K 5% 0603(1608)" RESC0603(1608)_N 5917,10071 r90 bottom (schematic designator R22)
R22.13 "10K 5% 0603(1608)" RESC0603(1608)_N 5905,10161 r90 top (schematic designator R22)
R22.19 "10K 5% 0603(1608)" RESC0603(1608)_N 4744,10637 r180 bottom (schematic designator R22)
R22.20 "10K 5% 0603(1608)" RESC0603(1608)_N 4489,10528 r180 bottom (schematic designator R22)
R22.21 "10K 5% 0603(1608)" RESC0603(1608)_N 4489,10528.5 r180 top (schematic designator R22)
R22.22 "10K 5% 0603(1608)" RESC0603(1608)_N 4261,10528 r180 bottom (schematic designator R22)
R22.23 "10K 5% 0603(1608)" RESC0603(1608)_N 4261,10528 r180 top (schematic designator R22)
R22.24 "10K 5% 0603(1608)" RESC0603(1608)_N 4024.5,10543 r180 bottom (schematic designator R22)
R22.25 "10K 5% 0603(1608)" RESC0603(1608)_N 4951,10097 r270 bottom (schematic designator R22)
R22.26 "10K 5% 0603(1608)" RESC0603(1608)_N 4980,9884 r270 bottom (schematic designator R22)
R23.1 "10K 5% 0603(1608)" RESC0603(1608)_N 4363,9643 r180 top (schematic designator R23)
R23.2 "10K 5% 0603(1608)" RESC0603(1608)_N 4345,10070 r180 top (schematic designator R23)
R24.1 "10K 5% 0603(1608)" RESC0603(1608)_N 4363,9745 r180 top (schematic designator R24)
R24.2 "10K 5% 0603(1608)" RESC0603(1608)_N 4346,10171 r180 top (schematic designator R24)
R25.1 "10K 5% 0603(1608)" RESC0603(1608)_N 4363,9694 r0 top (schematic designator R25)
R25.2 "10K 5% 0603(1608)" RESC0603(1608)_N 4348,10121 r0 top (schematic designator R25)
R26.1 "0R05 5% 1206(3216)" RESC1206(3216)_L 3883,9495 r90 top (schematic designator R26)
R26.2 "0R05 5% 1206(3216)" RESC1206(3216)_L 3882,9937 r90 top (schematic designator R26)
R27.1 "0R05 5% 1206(3216)" RESC1206(3216)_L 3882,9784 r270 top (schematic designator R27)
R27.2 "0R05 5% 1206(3216)" RESC1206(3216)_L 3881,10234 r270 top (schematic designator R27)
TP2 "K00777" TEST_POINT_SMT_35MILS#1 5601,9732 r90 top
TP3 "K00777" TEST_POINT_SMT_35MILS#1 5689,9933 r90 top
TP5 "K00777" TEST_POINT_SMT_35MILS#2 5611,10488 r0 top locked
TP6 "K00777" TEST_POINT_SMT_35MILS#3 5608,10179 r0 top locked
TP7 "K00777" TEST_POINT_SMT_35MILS#4 5608,10124 r0 top locked
TP8 "K00777" TEST_POINT_SMT_35MILS#5 5533,10298 r0 top locked
TP9 "K00777" TEST_POINT_SMT_35MILS#6 5533,10168 r0 top locked
TP10 "K00777" TEST_POINT_SMT_35MILS#7 5523,10088 r0 top locked
TP16 "K00777" TEST_POINT_SMT_35MILS#1 4784,8126 r180 bottom
TP18.1 "K00777" TEST_POINT_SMT_35MILS#1 5546,10711.5 r270 top (schematic designator TP18)
TP18.2 "K00777" TEST_POINT_SMT_35MILS#1 5579.5,10506.5 r0 top (schematic designator TP18)
TP18.3 "K00777" TEST_POINT_SMT_35MILS#1 5770.5,10698.5 r270 top (schematic designator TP18)
TP18.6 "K00777" TEST_POINT_SMT_35MILS#8 5823.5,10444 r180 top (schematic designator TP18)
TP18.10 "K00777" TEST_POINT_SMT_35MILS#1 5823.01,10444 r180 top (schematic designator TP18)
TP18.11 "K00777" TEST_POINT_SMT_35MILS#1 5826.5,10211 r0 bottom (schematic designator TP18)
TP18.12 "K00777" TEST_POINT_SMT_35MILS#1 5805.5,9991 r0 bottom (schematic designator TP18)
TP18.13 "K00777" TEST_POINT_SMT_35MILS#1 5793.5,10081 r180 top (schematic designator TP18)
TP18.19 "K00777" TEST_POINT_SMT_35MILS#1 4824,10525.5 r90 bottom (schematic designator TP18)
TP18.20 "K00777" TEST_POINT_SMT_35MILS#1 4562,10419 r90 bottom (schematic designator TP18)
TP18.21 "K00777" TEST_POINT_SMT_35MILS#1 4569,10417.01 r270 top (schematic designator TP18)
TP18.22 "K00777" TEST_POINT_SMT_35MILS#1 4341,10416.5 r90 bottom (schematic designator TP18)
TP18.23 "K00777" TEST_POINT_SMT_35MILS#1 4341,10416.5 r270 top locked (schematic designator TP18)
TP18.24 "K00777" TEST_POINT_SMT_35MILS#1 4104.5,10431.5 r90 bottom (schematic designator TP18)
TP18.25 "K00777" TEST_POINT_SMT_35MILS#1 5062.5,10177 r180 bottom (schematic designator TP18)
TP18.26 "K00777" TEST_POINT_SMT_35MILS#1 5091.5,9964 r180 bottom (schematic designator TP18)
TP19.1 "K00777" TEST_POINT_SMT_35MILS#1 5545,10871 r270 top (schematic designator TP19)
TP19.2 "K00777" TEST_POINT_SMT_35MILS#1 5420,10505.5 r0 top (schematic designator TP19)
TP19.3 "K00777" TEST_POINT_SMT_35MILS#1 5769.5,10858 r270 top (schematic designator TP19)
TP19.6 "K00777" TEST_POINT_SMT_35MILS#8 5983,10445 r180 top (schematic designator TP19)
TP19.10 "K00777" TEST_POINT_SMT_35MILS#1 5982.5,10445 r180 top (schematic designator TP19)
TP19.11 "K00777" TEST_POINT_SMT_35MILS#1 5986,10212 r0 bottom (schematic designator TP19)
TP19.12 "K00777" TEST_POINT_SMT_35MILS#1 5965,9992 r0 bottom (schematic designator TP19)
TP19.13 "K00777" TEST_POINT_SMT_35MILS#1 5953,10082 r180 top (schematic designator TP19)
TP19.19 "K00777" TEST_POINT_SMT_35MILS#1 4823,10685 r90 bottom (schematic designator TP19)
TP19.20 "K00777" TEST_POINT_SMT_35MILS#1 4567,10577 r90 bottom (schematic designator TP19)
TP19.21 "K00777" TEST_POINT_SMT_35MILS#1 4568,10576.5 r270 top (schematic designator TP19)
TP19.22 "K00777" TEST_POINT_SMT_35MILS#1 4340,10576 r90 bottom (schematic designator TP19)
TP19.23 "K00777" TEST_POINT_SMT_35MILS#1 4340,10576 r270 top (schematic designator TP19)
TP19.24 "K00777" TEST_POINT_SMT_35MILS#1 4103.5,10591 r90 bottom (schematic designator TP19)
TP19.25 "K00777" TEST_POINT_SMT_35MILS#1 4903,10176 r180 bottom (schematic designator TP19)
TP19.26 "K00777" TEST_POINT_SMT_35MILS#1 4932,9963 r180 bottom (schematic designator TP19)
U1 "CIS0478" LCC16 5692,10741 r90 bottom
U2 "CAT6219-330TDGT3" ONSC-SOT23-5_L 5882,10938 r0 bottom
U3 "DEVICE" PCBComponent_1 5590,9635 r0 bottom
U4 "TLE6251DS" INF-PG-DSO-8-16_M 5794,9813 r0 top
U5.1 "BTN8962TA" INF-PG-TO263-7-1_N 4325,9200 r180 top (schematic designator U5)
U5.2 "BTN8962TA" INF-PG-TO263-7-1_N 4325,8750 r180 top (schematic designator U5)
U5.3 "BTN8962TA" INF-PG-TO263-7-1_N 4325,8300 r180 top (schematic designator U5)
U5.4 "BTN8962TA" INF-PG-TO263-7-1_N 4325,7850 r180 top (schematic designator U5)
U5.5 "BTN8962TA" INF-PG-TO263-7-1_N 5780,9200 r0 top (schematic designator U5)
U5.6 "BTN8962TA" INF-PG-TO263-7-1_N 5780,8750 r0 top (schematic designator U5)
U5.7 "BTN8962TA" INF-PG-TO263-7-1_N 5780,8300 r0 top (schematic designator U5)
U5.8 "BTN8962TA" INF-PG-TO263-7-1_N 5780,7850 r0 top (schematic designator U5)
U6 "CY8C5868AXI-LP035" CYP-AX100_N 5050,10040 r180 top
U8 "DEVICE" LED_100mils_TH 3880,10566 r0 top
U9 "DEVICE" LED_100mils_TH 3880.63,10397.6 r0 top
U12.1 "A4982" ONSC-TSSOP-24-948AR-01_L 4117,9638 r180 top (schematic designator U12)
U12.2 "A4982" ONSC-TSSOP-24-948AR-01_L 4118,10084 r180 top (schematic designator U12)
X1 "CYS0027" CRYSTAL_HC-49_SMD 4967,10633 r180 top

## Footprints (in the part's own frame and the unit in brackets; to place one, negate y for a bottom-side part, rotate by r counter-clockwise, add the part's x,y. Pads: shape width x height; smd on the part's side, far side on the other; paste and mask are expansions set on the pad)
CAP_0603SP [mil] "RC0603SP"
  rect 32x32 smd paste-1 mask+0: 1(-29.5,0) 2(29.5,0)
  silkscreen extent -46,-25 46,25, body extent -31,-16 32,16, height 31
CAP_1206SP [mil] "RC1206SP"
  rect 54x63 smd paste-2.25 mask+0: 1(-62,0) 2(62,0)
  silkscreen extent -98,-40 98,40, body extent -63,-31 63,31, height 30
CAP_SMD_8_10-5 [mil] "CAP_SMD_8_10-5"
  rect 177x63 smd paste-3.5 mask+0: 1(134,0) 2(-134,0)
  silkscreen extent -253,-165 165,165, body extent -225,-165 225,165, height 415
CAP_SMD_J10 [mil] "CAP_SMD_J10"
  rect 173x87 smd paste-4.25 mask+0: 1(175,0) 2(-175,0)
  silkscreen extent -210,-210 210,210, body extent -232,-207 232,207, height 414
CAPC0603(1608)100_L [mm] "Chip Capacitor, Body 1.6x0.8mm, Height 1.0mm, IPC High Density"
  rect 0.7x0.9 smd: 1(-0.7,0) 2(0.7,0)
  silkscreen extent -0.05,-0.35 0.05,0.35, body extent -0.87,-0.47 0.88,0.48, height 1
CAPC0603(1608)100_M [mm] "Chip Capacitor, Body 1.6x0.8mm, Height 1.0mm, IPC Low Density"
  rect 1.1x1.1 smd: 1(-0.9,0) 2(0.9,0)
  silkscreen extent -0.05,-0.45 0.05,0.45, body extent -0.87,-0.47 0.88,0.48, height 1
CAPC0603(1608)100_N [mm] "Chip Capacitor, Body 1.6x0.8mm, Height 1.0mm, IPC Medium Density"
  rect 0.9x1 smd: 1(-0.8,0) 2(0.8,0)
  silkscreen extent -0.05,-0.4 0.05,0.4, body extent -0.87,-0.48 0.88,0.47, height 1
CAPC0805(2012)145_M [mm] "Chip Capacitor, Body 2.0x1.2mm, Height 1.45mm, IPC Low Density"
  rect 1.35x1.55 smd: 1(-1,0) 2(1,0)
  silkscreen extent -0.05,-0.67 0.05,0.67, body extent -1.1,-0.72 1.1,0.72, height 1.45
CAPC1206(3216)150_M [mm] "Chip Capacitor, Body 3.2x1.6mm, Height 1.5mm, IPC Low Density"
  rect 1.35x1.9 smd: 1(-1.6,0) 2(1.6,0)
  silkscreen extent -0.55,-0.85 0.55,0.85, body extent -1.7,-0.9 1.7,0.9, height 1.5
CAPC1210(3225)230_L [mm] "Chip Capacitor, Body 3.2x2.5mm, Height 2.3mm, IPC High Density"
  rect 0.95x2.6 smd: 1(-1.4,0) 2(1.4,0)
  silkscreen extent -0.55,-1.2 0.55,1.2, body extent -1.7,-1.35 1.7,1.35, height 2.3
CAPC1210(3225)280_L [mm] "Chip Capacitor, Body 3.2x2.5mm, Height 2.8mm, IPC High Density"
  rect 0.95x2.6 smd: 1(-1.4,0) 2(1.4,0)
  silkscreen extent -0.55,-1.2 0.55,1.2, body extent -1.7,-1.4 1.7,1.4, height 2.8
CRYSTAL_HC-49_SMD [mil] "CRYSTAL_HC-49_SMD"
  rect 217x79 smd paste-4.25 mask+0: 1(-187,0) 2(187,0)
  silkscreen extent -215,-100 210,100, body extent -295,-89 295,89, height 201